# Altium PCB LPC4357_SDRAM_v0.2.PcbDoc (part 1 of 3) (continued)
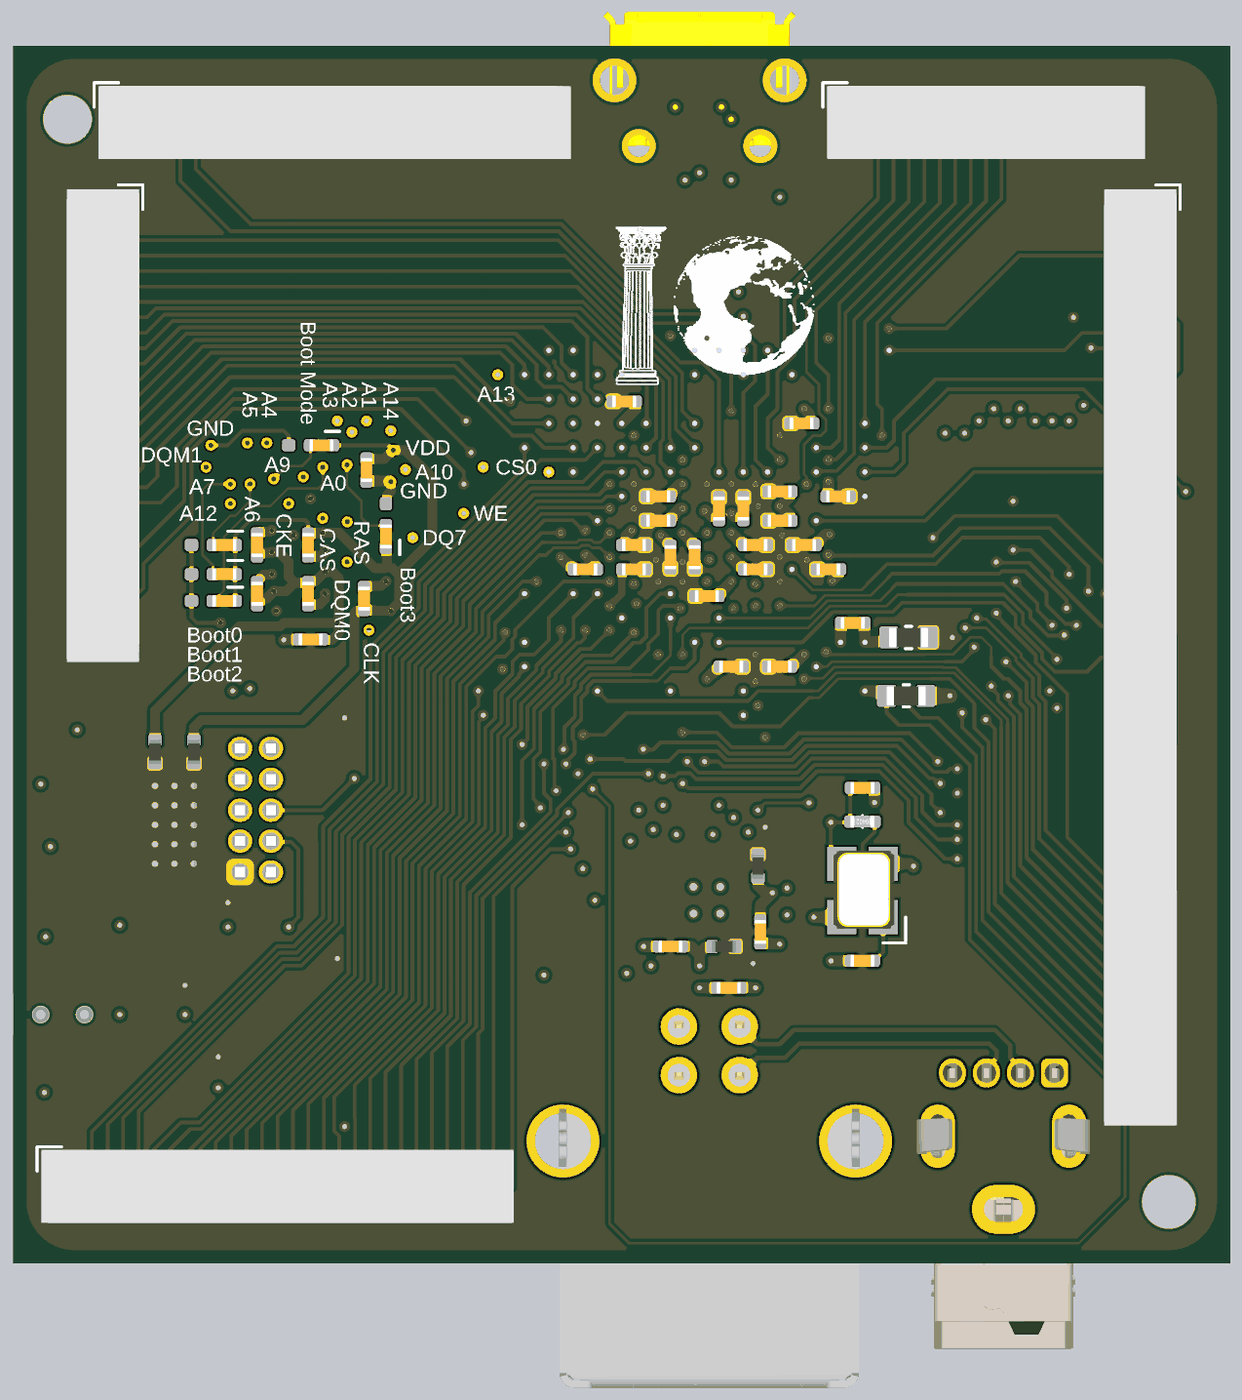
[diagram p7: 3D render of the assembled board from below, using the file's embedded part models]

## Layer stack, top to bottom
Top Solder: solder mask 0.0127, SM-001, Dk 3.8
Top Layer: signal copper 0.035
2313: prepreg 0.1, PP-017, Dk 4.05
Int1 (GND): signal copper 0.0175
Dielectric 3: core 1.265, Core-039, Dk 4.05
Int2 (PWR): signal copper 0.0175
Dielectric 5: prepreg 0.1, PP-017, Dk 4.05
Bottom Layer: signal copper 0.035
Bottom Solder: solder mask 0.0127, SM-001, Dk 3.8

## Board outline
15,15 ccw(c17.5,15) 17.5,12.5 62.5,12.5 ccw(c62.5,15) 65,15 65,60 ccw(c62.5,60) 62.5,62.5 17.5,62.5 ccw(c17.5,60) 15,60

## Design rules (kind name [scope] priority, off if disabled: settings)
Clearance Clearance_Poly [InPolygon] p1: gap=0.127 ignorepadtopadclearanceinfootprint=FALSE // Polygon Pour Clearance
Clearance Clearance_BGA [WithinRoom('BGA_Area')] p2: gap=0.11 ignorepadtopadclearanceinfootprint=FALSE // Create Even Spacing
Clearance [All] p3: gap=0.11 ignorepadtopadclearanceinfootprint=FALSE except(0.127: Track-Via Via-Via; 0.254: Poly-Poly)
DiffPairsRouting [All] p1: maxlimit=0.5 minlimit=0.127 mostfreqgap=0.38 toplayer_minwidth=0.089 toplayer_maxwidth=2.54 toplayer_prefwidth=0.175 midlayer1_minwidth=0.089 midlayer1_maxwidth=2.54 midlayer1_prefwidth=0.154 midlayer2_minwidth=0.089 midlayer2_maxwidth=2.54 midlayer2_prefwidth=0.154 bottomlayer_minwidth=0.089 bottomlayer_maxwidth=2.54 bottomlayer_prefwidth=0.175 impedanceprofiledriven=TRUE impedanceprofileid={19EFDE2F-10DD-4C90-9AE3-6366B3BCEC6F} impedanceprofilevalue=90.000000 maxuncoupledlength=12.7
MatchedLengths [InDifferentialPair('USB0')] p1: tolerance=0.635 checknetsindiffpair=FALSE checkdiffpairvsdiffpair=TRUE checkxsignals=TRUE checkothers=TRUE
MatchedLengths Address-MatchLengths_xSignals_U1_U2 [InxSignalClass('xSignals_U1_U2_Address-MatchLengthsClass')] p2: tolerance=20 checknetsindiffpair=FALSE checkdiffpairvsdiffpair=TRUE checkxsignals=TRUE checkothers=TRUE
MatchedLengths Data-MatchLengths_xSignals_U1_U2 [InxSignalClass('xSignals_U1_U2_Data-MatchLengthsClass')] p3: tolerance=20 checknetsindiffpair=FALSE checkdiffpairvsdiffpair=TRUE checkxsignals=TRUE checkothers=TRUE
MinimumSolderMaskSliver [All] p1: minsoldermaskwidth=0.102
PolygonConnect PolygonConnect-Direct [IsPoly vs IsVia or ((Net = '3V3') or (Net = 'GND'))] p1: connectstyle=Direct reliefconductorwidth=0.254 reliefentries=4 polygonreliefangle="90 Angle" airgapwidth=0.254
PolygonConnect [All] p2: connectstyle=Relief reliefconductorwidth=0.254 reliefentries=4 polygonreliefangle="90 Angle" airgapwidth=0.254
RoomDefinition BGA_Area [False] p1: confinementstyle=ConfineIn formatcopy=TRUE lockcomponents=FALSE outline 28.1,51 45,51 45,34 28.1,34
RoutingVias [All] p1: holewidth=0.2 width=0.45 viastyle="Through Hole" minholewidth=0.2 minwidth=0.45 maxholewidth=0.711 maxwidth=1.27
SilkToSilkClearance [All] p1: silktosilkclearance=0.127
SilkToSolderMaskClearance [IsPad] p1: minsilkscreentomaskgap=0.127 clearancetoexposedcopper=TRUE
SolderMaskExpansion [All] p1: expansion=0.076
Width Width_BGA [WithinRoom('BGA_Area')] p1: maxlimit=0.45 minlimit=0.089 preferedwidth=0.11
Width [All] p2: maxlimit=1 minlimit=0.089 preferedwidth=0.152
26 further rules are at their usual default settings.

## Classes and differential pairs
net class BOOT_Pins: EMC_A0 EMC_A6 EMC_A7 EMC_A8 EMC_A9
net class SDRAM-Commands: EMC_CAS EMC_CKE EMC_CLK EMC_CS0 EMC_DQM0 EMC_DQM1 EMC_RAS EMC_WE
net class SDRAM-Data: EMC_DQ0 EMC_DQ1 EMC_DQ2 EMC_DQ3 EMC_DQ4 EMC_DQ5 EMC_DQ6 EMC_DQ7 EMC_DQ8 EMC_DQ9 EMC_DQ10 EMC_DQ11 EMC_DQ12 EMC_DQ13 EMC_DQ14 EMC_DQ15
net class SDRAM-Address: EMC_A0 EMC_A1 EMC_A2 EMC_A3 EMC_A4 EMC_A5 EMC_A6 EMC_A7 EMC_A8 EMC_A9 EMC_A10 EMC_A11 EMC_A12 EMC_A13 EMC_A14
differential pair USB0: +USB0_D_P -USB0_D_N
differential pair D: +D_P -D_N

## Components (designator, comment, footprint, x,y, rotation, side; value= is the part's Value field where it differs from the comment)
C1 "100n" C_0402_N 41.5,41 r0 bottom
C2 "100n" C_0402_N 32.6,47 r180 bottom
C3 "100n" C_0402_N 31.5,41 r180 bottom
C4 "100n" C_0402_N 39.9,47.9 r180 bottom
C5 "100n" C_0402_N 34.5,42 r0 bottom
C6 "100n" C_0402_N 34.5,41 r0 bottom
C7 "100n" C_0402_N 33.511,37 r180 bottom
C8 "100n" C_0402_N 35,43.5 r270 bottom
C9 "100n" C_0402_N 36,43.5 r270 bottom
C10 "100n" C_0402_N 35.5,37 r0 bottom
C11 "100n" C_0402_N 38.5,44 r180 bottom
C12 "100n" C_0402_N 38.5,43 r180 bottom
C13 "100n" C_0402_N 37,41.5 r90 bottom
C14 "100n" C_0402_N 38,41.5 r90 bottom
C15 "100n" C_0402_N 36.5,39.9 r180 bottom
C16 "100n" C_0402_N 33.5,43 r180 bottom
C17 "100n" C_0402_N 32.5,42 r180 bottom
C18 "100n" C_0402_N 39.5,42 r0 bottom
C19 "100n" C_0402_N 39.5,41 r0 bottom
C20 "100n" C_0402_N 33.5,44.2 r180 bottom
C21 "100n" C_0402_N 31.1,44 r0 bottom
C22 "100n" C_0402_N 30.5,38.8 r0 bottom
C23 "100n" C_0402_N 38,25.5 r0 bottom
C24 "1u" C_0402_N 39.643,28.7 r90 top
C25 "1u" C_0402_N 35.6,23.8 r180 bottom
C26 "100n" C_0402_N 34.3,26.1 r270 bottom
C27 "100n" C_0402_N 52.9,42 r270 bottom
C28 "100n" C_0402_N 52.9,40 r270 bottom
C29 "100n" C_0402_N 55,42 r90 bottom
C30 "100n" C_0402_N 55,40 r90 bottom
C31 "100n" C_0402_N 52.8,38.119 r0 bottom
C32 "100n" C_0402_N 50.6,39.8 r90 bottom
C33 "100n" C_0402_N 50.5,45.084 r270 bottom
C34 "18p" C_0402_N 42.703,28.7 r180 top
C35 "18p" C_0402_N 42.703,25.019 r0 top
C36 "100n" C_0402_N 59.065,22.7 r180 top
C37 "18p" C_0402_N 30.1,32.019 r180 bottom
C38 "18p" C_0402_N 30.1,24.911 r0 bottom
C39 "1u" C_0402_N 61.25,34.4 r0 top
C40 "10u" 0603x55 61.55,29.605 r0 top
D1 "PMEG2015EH" SOD123F 58.644,34.925 r90 top
D2 "0603 Green" D_0603 61.5,27.7 r0 top
FB1 "120R" L_0603 61.4,36.1 r180 top
FB2 "120R" L_0603 28.2,38.2 r0 bottom
FB3 "120R" L_0603 28.3,35.8 r0 bottom
FB4 "300R" FB_0402-NIC 59.2,33.5 r270 bottom
FB5 "300R" FB_0402-NIC 57.6,33.5 r270 bottom
FB6 "300R" FB_0402-NIC 35.8,25.5 r0 bottom
FB7 "300R" FB_0402-NIC 34.4,28.8 r270 bottom
FID1 "FIDUCIAL" LFP113__FIDUCIAL 47.5,26.9 r0 top
FID2 "FIDUCIAL" LFP113__FIDUCIAL 26.9,53.8 r90 top
H1 "2x30" HDR_2x30_1.27mm 18.03,55.8 r270 bottom locked
H2 "2x10" HDR_2x10_1.27mm 30.73,60 r180 bottom locked
H3 "2x15" HDR_2x15_1.27mm 60.7,60 r180 bottom locked
H4 "2x15" HDR_2x15_1.27mm 60.7,55.8 r270 bottom locked
H5 "2x15" HDR_2x15_1.27mm 63.05,16.27 r180 bottom
H6 "JTAG" JTAG_FTSH-105-01-XXX-D-K 55.065,31.1 r90 top
J1 "Type A" USB_A_F_SIDE_REVERSE_TH 24.3,14.7 r0 top locked
J2 "micro USB B" 10118194 36.8,61.1 r180 top
J3 "Type B" USB_B_F_RA_TH 36.4,17.5 r0 top
PCB "LPC USB Analyzer v0.2" LOGO-GIO 35.462,51.689 r180 bottom
R1 "8.06k" R_0402-N 39.8,25.5 r90 top value=8k06
R2 "1M" R_0402-N 44.603,26.9 r90 top value=33
R3 "10k0" R_0402-N 52,33.6 r90 top value=10k
R4 "10k0" R_0402-N 51,33.6 r90 top value=10k
R5 "10k0" R_0402-N 54.9,27.3 r0 top value=10k
R6 "10k0" R_0402-N 49.5,35 r0 top value=10k
R7 "10k0" R_0402-N 54.9,26.3 r180 top value=10k
R8 "10k0" R_0402-N 59.065,23.9 r180 top value=10k
R9 "1M" R_0402-N 30.1,30.63 r0 bottom value=33
R10 "12k0" R_0402-N 37.2,31.3 r180 top value=12k
R11 "8.06k" R_0402-N 61.8,26.373 r0 top value=8k06
R12 "20k0" R_0402-N 41.1,23.9 r180 top value=20k
R13 "10k0" R_0402-N 50.3,25 r0 top value=10k
R14 "10k0" R_0402-N 50.3,18.1 r0 top value=10k
R15 "BOOT_3" 3PAD_0402_JMP_1-2 49.7,42.8 r90 bottom
R16 "BOOT_2" 3PAD_0402_JMP_1-2 56.8,39.7 r0 bottom
R17 "BOOT_1" 3PAD_0402_JMP_1-2 56.8,40.8 r0 bottom
R18 "BOOT_0" 3PAD_0402_JMP_1-2 56.8,42 r0 bottom
R19 "BOOT MODE" 3PAD_0402_JMP_1-2 52.8,46.1 r0 bottom
S1 "PTS840" SW_PTS840 63,22.7 r90 top
TP1 "TP_60mil-pad" TP-R50 49.3,33.5 r0 top
TP2 "TP_60mil-pad" TP-R50 49.3,30.5 r0 top
U1 "LPC4357JET256,551" NXP-SOT740-2 36.5,42.5 r90 top locked
U2 "MT48LC16M16A2B4-6A:G" VFBGA54_8x8 53.3,42.5 r180 top
U3 "USB3343-CP-TR" MCHP-QFN-24_A_V 36.5,27.4 r270 top
U4 "AP7333-33SAG-7" SOT23_N 61.8,32.174 r0 top
U5 "AP2192A" soic_8 52.525,21.595 r180 top
X1 "12MHz" XTAL_3.2mmx2.5mm 30.1,27.8 r90 bottom
X2 "26MHz" XTAL_2.0mmx1.6mm 42.6,26.9 r0 top

## Footprints (in the part's own frame and the unit in brackets; to place one, negate y for a bottom-side part, rotate by r counter-clockwise, add the part's x,y. Pads: shape width x height; smd on the part's side, far side on the other; paste and mask are expansions set on the pad)
3PAD_0402_JMP_1-2 [mm] "3-pin jumper pads for PU/PD"
  rrect50% 0.55x0.5 smd: 1(-0.9,0) 2(0,0) 3(0.9,0)
  silkscreen extent -1.2,-0.57 -0.6,-0.57, body extent -0.95,-0.25 0.05,0.25, height 0.55
0603x55 [mm] "Capacitor 0603"
  rrect26% 0.8x0.9 smd mask+0.051: 1(-0.8,0) 2(0.8,0)
  silkscreen extent -0.13,-0.46 0.13,0.46, body extent -0.8,-0.4 0.8,0.4, height 0.81
10118194 [mm] "FCI Micro USB B"
  rrect26% 0.4x1.35 smd mask+0: 1(-1.3,2.7) 2(-0.65,2.7) 3(0,2.7) 4(0.65,2.7) 5(1.3,2.7)
  round 1.397 hole 0.9 mask+0: MH(2.5,2.7) MH_4(-2.5,2.7)
  rrect26% 1.3x1.6 smd mask+0: MH_1(2.941,0) MH_5(-2.941,0)
  rrect26% 1.5x1.55 smd mask+0: MH_2(1,0) MH_7(-1,0)
  round 1.8 hole 1.2 mask+0: MH_3(3.5,0) MH_6(-3.5,0)
  silkscreen extent -4.03,-2.15 4.03,4.09, body extent -4,-2.82 4,2.7, height 3
C_0402_N [mm] "Chip Capacitor, 2-Leads, Body 1.00x0.50mm, IPC High Density"
  rrect50% 0.55x0.5 smd: 1(-0.45,0) 2(0.45,0)
  body extent -0.5,-0.25 0.5,0.25, height 0.55
D_0603 [mm] "0603, 1.6 x 0.8mm, LED"
  rect 0.8x0.8 smd: 1(-0.825,0) 2(0.825,0)
  silkscreen extent 1.6,-0.38 1.6,0.42, body extent -0.81,-0.4 0.81,0.4, height 0.6
FB_0402-NIC [mm] "Chip Inductor, 2-Leads, Body 1.00x0.50mm, IPC High Density"
  rrect41% 0.5x0.55 smd mask+0.051: 1(-0.475,0) 2(0.475,0)
  body extent -0.5,-0.25 0.5,0.25, height 0.5
HDR_2x10_1.27mm [mm] "LCSC 2x10 TH Female Header, 1.27mm pitch"
  rrect50% 0.9x0.95 hole 0.6: 1(0,0)
  oval 0.9x0.95 hole 0.6: 2(0,-1.27) 3(1.27,0) 4(1.27,-1.27) 5(2.54,0) 6(2.54,-1.27) 7(3.81,0) 8(3.81,-1.27) 9(5.08,0) 10(5.08,-1.27) 11(6.35,0) 12(6.35,-1.27) 13(7.62,0) 14(7.62,-1.27) 15(8.89,0) 16(8.89,-1.27) 17(10.16,0) 18(10.16,-1.27) 19(11.43,0) 20(11.43,-1.27)
  silkscreen extent -1,0 0,1, body extent -0.83,-2.13 12.26,0.87, height 4.3
HDR_2x15_1.27mm [mm] "LCSC 2x15 TH Female Header, 1.27mm pitch"
  rrect50% 0.9x0.95 hole 0.6: 1(0,0)
  oval 0.9x0.95 hole 0.6: 2(0,-1.27) 3(1.27,0) 4(1.27,-1.27) 5(2.54,0) 6(2.54,-1.27) 7(3.81,0) 8(3.81,-1.27) 9(5.08,0) 10(5.08,-1.27) 11(6.35,0) 12(6.35,-1.27) 13(7.62,0) 14(7.62,-1.27) 15(8.89,0) 16(8.89,-1.27) 17(10.16,0) 18(10.16,-1.27) 19(11.43,0) 20(11.43,-1.27) 21(12.7,0) 22(12.7,-1.27) 23(13.97,0) 24(13.97,-1.27) 25(15.24,0) 26(15.24,-1.27) 27(16.51,0) 28(16.51,-1.27) 29(17.78,0) 30(17.78,-1.27)
  silkscreen extent -1,0 0,1, body extent -0.83,-2.13 18.61,0.87, height 4.3
HDR_2x30_1.27mm [mm] "LCSC 2x30 TH Female Header, 1.27mm pitch"
  rrect50% 0.9x0.95 hole 0.6: 1(0,0)
  oval 0.9x0.95 hole 0.6: 2(0,-1.27) 3(1.27,0) 4(1.27,-1.27) 5(2.54,0) 6(2.54,-1.27) 7(3.81,0) 8(3.81,-1.27) 9(5.08,0) 10(5.08,-1.27) 11(6.35,0) 12(6.35,-1.27) 13(7.62,0) 14(7.62,-1.27) 15(8.89,0) 16(8.89,-1.27) 17(10.16,0) 18(10.16,-1.27) 19(11.43,0) 20(11.43,-1.27) 21(12.7,0) 22(12.7,-1.27) 23(13.97,0) 24(13.97,-1.27) 25(15.24,0) 26(15.24,-1.27) 27(16.51,0) 28(16.51,-1.27) 29(17.78,0) 30(17.78,-1.27) 31(19.05,0) 32(19.05,-1.27) 33(20.32,0) 34(20.32,-1.27) 35(21.59,0) 36(21.59,-1.27) 37(22.86,0) 38(22.86,-1.27) 39(24.13,0) 40(24.13,-1.27) 41(25.4,0) 42(25.4,-1.27) 43(26.67,0) 44(26.67,-1.27) 45(27.94,0) 46(27.94,-1.27) 47(29.21,0) 48(29.21,-1.27) 49(30.48,0) 50(30.48,-1.27) 51(31.75,0) 52(31.75,-1.27) 53(33.02,0) 54(33.02,-1.27) 55(34.29,0) 56(34.29,-1.27) 57(35.56,0) 58(35.56,-1.27) 59(36.83,0) 60(36.83,-1.27)
  silkscreen extent -1,0 0,1, body extent -0.83,-2.13 37.66,0.87, height 4.3
JTAG_FTSH-105-01-XXX-D-K [mm] "ARM JTAG, Samtec FTSH-105-01-D-K"
  rrect50% 0.95x1 hole 0.7 mask+0.07: 1(-2.54,-0.635)
  oval 0.95x1 hole 0.7 mask+0.07: 2(-2.54,0.635) 3(-1.27,-0.635) 4(-1.27,0.635) 5(0,-0.635) 6(0,0.635) 7(1.27,-0.635) 8(1.27,0.635) 9(2.54,-0.635) 10(2.54,0.635)
  silkscreen extent -3.3,-1.4 -2.03,-0.13, body extent -3.17,-2.54 3.18,2.54, height 5.71
L_0603 [mm] "Inductior 0603"
  rrect26% 0.8x0.9 smd mask+0.051: 1(-0.8,0) 2(0.8,0)
  silkscreen extent -0.13,-0.46 0.13,0.46, body extent -0.8,-0.4 0.8,0.4, height 0.79
LFP113__FIDUCIAL [mm]
  round 1 smd paste-2 mask+1: 0(0,0)
LOGO-GIO [mm]
  silkscreen extent -4.76,-3.08 3.37,3.39
MCHP-QFN-24_A_V [mm]
  rrect50% 0.85x0.26 smd mask+0.065: 1(-1.81,1.25) 2(-1.81,0.75) 3(-1.81,0.25) 4(-1.81,-0.25) 5(-1.81,-0.75) 6(-1.81,-1.25) 13(1.81,-1.25) 14(1.81,-0.75) 15(1.81,-0.25) 16(1.81,0.25) 17(1.81,0.75) 18(1.81,1.25)
  rrect50% 0.26x0.85 smd mask+0.065: 7(-1.25,-1.81) 8(-0.75,-1.81) 9(-0.25,-1.81) 10(0.25,-1.81) 11(0.75,-1.81) 12(1.25,-1.81) 19(1.25,1.81) 20(0.75,1.81) 21(0.25,1.81) 22(-0.25,1.81) 23(-0.75,1.81) 24(-1.25,1.81)
  rect 2.5x2.5 smd paste-10 mask+0.07: 25(0,0)
  Top Layer region: 1.25,1.25 0.75,1.25 0.75,0.75 1.25,0.75
  silkscreen extent -3,-2.23 2.23,2.22, body extent -2.07,-2.07 2.07,2.07, height 1.4
NXP-SOT740-2 [mm]
  round 0.45 smd mask+0.075: A1(-7.5,7.5) A2(-6.5,7.5) A3(-5.5,7.5) A4(-4.5,7.5) A5(-3.5,7.5) A6(-2.5,7.5) A7(-1.5,7.5) A8(-0.5,7.5) A9(0.5,7.5) A10(1.5,7.5) A11(2.5,7.5) A12(3.5,7.5) A13(4.5,7.5) A14(5.5,7.5) A15(6.5,7.5) A16(7.5,7.5) B1(-7.5,6.5) B2(-6.5,6.5) B3(-5.5,6.5) B4(-4.5,6.5) B5(-3.5,6.5) B6(-2.5,6.5) B7(-1.5,6.5) B8(-0.5,6.5) B9(0.5,6.5) B10(1.5,6.5) B11(2.5,6.5) B12(3.5,6.5) B13(4.5,6.5) B14(5.5,6.5) B15(6.5,6.5) B16(7.5,6.5) C1(-7.5,5.5) C2(-6.5,5.5) C3(-5.5,5.5) C4(-4.5,5.5) C5(-3.5,5.5) C6(-2.5,5.5) C7(-1.5,5.5) C8(-0.5,5.5) C9(0.5,5.5) C10(1.5,5.5) C11(2.5,5.5) C12(3.5,5.5) C13(4.5,5.5) C14(5.5,5.5) C15(6.5,5.5) C16(7.5,5.5) D1(-7.5,4.5) D2(-6.5,4.5) D3(-5.5,4.5) D4(-4.5,4.5) D5(-3.5,4.5) D6(-2.5,4.5) D7(-1.5,4.5) D8(-0.5,4.5) D9(0.5,4.5) D10(1.5,4.5) D11(2.5,4.5) D12(3.5,4.5) D13(4.5,4.5) D14(5.5,4.5) D15(6.5,4.5) D16(7.5,4.5) E1(-7.5,3.5) E2(-6.5,3.5) E3(-5.5,3.5) E4(-4.5,3.5) E5(-3.5,3.5) E6(-2.5,3.5) E7(-1.5,3.5) E8(-0.5,3.5) E9(0.5,3.5) E10(1.5,3.5) E11(2.5,3.5) E12(3.5,3.5) E13(4.5,3.5) E14(5.5,3.5) E15(6.5,3.5) E16(7.5,3.5) F1(-7.5,2.5) F2(-6.5,2.5) F3(-5.5,2.5) F4(-4.5,2.5) F5(-3.5,2.5) F6(-2.5,2.5) F7(-1.5,2.5) F8(-0.5,2.5) F9(0.5,2.5) F10(1.5,2.5) F11(2.5,2.5) F12(3.5,2.5) F13(4.5,2.5) F14(5.5,2.5) F15(6.5,2.5) F16(7.5,2.5) G1(-7.5,1.5) G2(-6.5,1.5) G3(-5.5,1.5) G4(-4.5,1.5) G5(-3.5,1.5) G6(-2.5,1.5) G7(-1.5,1.5) G8(-0.5,1.5) G9(0.5,1.5) G10(1.5,1.5) G11(2.5,1.5) G12(3.5,1.5) G13(4.5,1.5) G14(5.5,1.5) G15(6.5,1.5) G16(7.5,1.5) H1(-7.5,0.5) H2(-6.5,0.5) H3(-5.5,0.5) H4(-4.5,0.5) H5(-3.5,0.5) H6(-2.5,0.5) H7(-1.5,0.5) H8(-0.5,0.5) H9(0.5,0.5) H10(1.5,0.5) H11(2.5,0.5) H12(3.5,0.5) H13(4.5,0.5) H14(5.5,0.5) H15(6.5,0.5) H16(7.5,0.5) J1(-7.5,-0.5) J2(-6.5,-0.5) J3(-5.5,-0.5) J4(-4.5,-0.5) J5(-3.5,-0.5) J6(-2.5,-0.5) J7(-1.5,-0.5) J8(-0.5,-0.5) J9(0.5,-0.5) J10(1.5,-0.5) J11(2.5,-0.5) J12(3.5,-0.5) J13(4.5,-0.5) J14(5.5,-0.5) J15(6.5,-0.5) J16(7.5,-0.5) K1(-7.5,-1.5) K2(-6.5,-1.5) K3(-5.5,-1.5) K4(-4.5,-1.5) K5(-3.5,-1.5) K6(-2.5,-1.5) K7(-1.5,-1.5) K8(-0.5,-1.5) K9(0.5,-1.5) K10(1.5,-1.5) K11(2.5,-1.5) K12(3.5,-1.5) K13(4.5,-1.5) K14(5.5,-1.5) K15(6.5,-1.5) K16(7.5,-1.5) L1(-7.5,-2.5) L2(-6.5,-2.5) L3(-5.5,-2.5) L4(-4.5,-2.5) L5(-3.5,-2.5) L6(-2.5,-2.5) L7(-1.5,-2.5) L8(-0.5,-2.5) L9(0.5,-2.5) L10(1.5,-2.5) L11(2.5,-2.5) L12(3.5,-2.5) L13(4.5,-2.5) L14(5.5,-2.5) L15(6.5,-2.5) L16(7.5,-2.5) M1(-7.5,-3.5) M2(-6.5,-3.5) M3(-5.5,-3.5) M4(-4.5,-3.5) M5(-3.5,-3.5) M6(-2.5,-3.5) M7(-1.5,-3.5) M8(-0.5,-3.5) M9(0.5,-3.5) M10(1.5,-3.5) M11(2.5,-3.5) M12(3.5,-3.5) M13(4.5,-3.5) M14(5.5,-3.5) M15(6.5,-3.5) M16(7.5,-3.5) N1(-7.5,-4.5) N2(-6.5,-4.5) N3(-5.5,-4.5) N4(-4.5,-4.5) N5(-3.5,-4.5) N6(-2.5,-4.5) N7(-1.5,-4.5) N8(-0.5,-4.5) N9(0.5,-4.5) N10(1.5,-4.5) N11(2.5,-4.5) N12(3.5,-4.5) N13(4.5,-4.5) N14(5.5,-4.5) N15(6.5,-4.5) N16(7.5,-4.5) P1(-7.5,-5.5) P2(-6.5,-5.5) P3(-5.5,-5.5) P4(-4.5,-5.5) P5(-3.5,-5.5) P6(-2.5,-5.5) P7(-1.5,-5.5) P8(-0.5,-5.5) P9(0.5,-5.5) P10(1.5,-5.5) P11(2.5,-5.5) P12(3.5,-5.5) P13(4.5,-5.5) P14(5.5,-5.5) P15(6.5,-5.5) P16(7.5,-5.5) R1(-7.5,-6.5) R2(-6.5,-6.5) R3(-5.5,-6.5) R4(-4.5,-6.5) R5(-3.5,-6.5) R6(-2.5,-6.5) R7(-1.5,-6.5) R8(-0.5,-6.5) R9(0.5,-6.5) R10(1.5,-6.5) R11(2.5,-6.5) R12(3.5,-6.5) R13(4.5,-6.5) R14(5.5,-6.5) R15(6.5,-6.5) R16(7.5,-6.5) T1(-7.5,-7.5) T2(-6.5,-7.5) T3(-5.5,-7.5) T4(-4.5,-7.5) T5(-3.5,-7.5) T6(-2.5,-7.5) T7(-1.5,-7.5) T8(-0.5,-7.5) T9(0.5,-7.5) T10(1.5,-7.5) T11(2.5,-7.5) T12(3.5,-7.5) T13(4.5,-7.5) T14(5.5,-7.5) T15(6.5,-7.5) T16(7.5,-7.5)
  silkscreen extent -9.27,-8.5 8.5,8.5, body extent -8.5,-8.5 8.5,8.5, height 1.5
R_0402-N [mm] "Chip Resistor, 2-Leads, Body 1.00x0.50mm, IPC High Density"
  rrect50% 0.5x0.5 smd: 1(-0.5,0) 2(0.5,0)
  silkscreen extent 0,-0.26 0,0.24, body extent -0.5,-0.26 0.5,0.24, height 0.36
SOD123F [mm] "SOD123F; 2 Leads; Body 2.6 x 1.6 mm, (LxW)"
  rect 1.2x1.2 smd paste+0.1: 1(1.175,0) 2(-1.175,0)
  silkscreen extent -0.96,-1.19 0.94,1.22, body extent -1.3,-0.66 1.3,0.69, height 1.1
soic_8 [mm] "SOIC, 8-Leads, Body 4.90x3.90mm, Pitch 1.27mm, IPC Medium Density"
  rrect50% 1.505x0.802 smd: 1(-2.725,1.905) 2(-2.725,0.635) 3(-2.725,-0.635) 4(-2.725,-1.905) 5(2.725,-1.905) 6(2.725,-0.635) 7(2.725,0.635) 8(2.725,1.905)
  silkscreen extent -4.87,-2.5 1.6,2.5, body extent -3.1,-2.5 3.1,2.5, height 1.7
SOT23_N [mm]
  rect 1.3x0.6 smd: 1(-1.05,0.95) 2(-1.05,-0.95) 3(1.05,0)
  silkscreen extent 0.01,-1.5 0.71,1.5, body extent -1.26,-1.46 1.22,1.46, height 1
SW_PTS840 [mm] "C&K PTS840 SMT Side Tactile Switch"
  rect 1.4x1.05 smd: 1(-1.8,0.725) 2(1.8,0.725) 3(-1.8,-0.725) 4(1.8,-0.725)
  rect 1.1x0.5 smd: 5(0,1.7)
  round 0 hole 0.7: 6(0,0.9) 7(0,-0.9)
  body extent -2.35,-2.1 2.35,1.45, height 1.36
TP-R50 [mm] "50mil test pad"
  round 1.27 smd: 1(0,0)
  silkscreen extent -0.91,-0.91 0.91,0.91, body extent -0.76,-0.76 0.76,0.76, height 0.25
USB_A_F_SIDE_REVERSE_TH [mm] "USB Type A Verticle Right Angle, LCSC C39452"
  rrect50% 1.1x1.2 hole 0.8 mask+0.095: 1(-2.1,5.6)
  oval 1.1x1.2 hole 0.8 mask+0.095: 2(-0.7,5.6) 3(0.7,5.6) 4(2.1,5.6)
  oval 2.6x2 hole 1 slot 1.6 at 0 deg: MH(0,0)
  oval 1.4x2.6 hole 0.6 slot 1.8 at 90 deg: MH_1(-2.7,3) MH_2(2.7,3)
  silkscreen extent -3,5 3,6.5, body extent -3.56,-5.74 3.56,6.36, height 13.85
USB_B_F_RA_TH [mm] "Based on Amphenol 61729-1011BLF"
  round 1.5 hole 0.92: 1(1.25,4.71) 2(-1.25,4.71) 3(-1.25,2.71) 4(1.25,2.71)
  round 3 hole 2.3: SH(-6.02,0) SH_1(6.02,0)
  body extent -6.56,-10.14 6.56,5.8, height 11
VFBGA54_8x8 [mm] "BGA, 54-Leads, Body 8.00x8.00mmx1.15mm, Pitch 0.80mm"
  round 0.4 smd mask+0.075: A1(-3.2,3.2) A2(-2.4,3.2) A3(-1.6,3.2) A7(1.6,3.2) A8(2.4,3.2) A9(3.2,3.2) B1(-3.2,2.4) B2(-2.4,2.4) B3(-1.6,2.4) B7(1.6,2.4) B8(2.4,2.4) B9(3.2,2.4) C1(-3.2,1.6) C2(-2.4,1.6) C3(-1.6,1.6) C7(1.6,1.6) C8(2.4,1.6) C9(3.2,1.6) D1(-3.2,0.8) D2(-2.4,0.8) D3(-1.6,0.8) D7(1.6,0.8) D8(2.4,0.8) D9(3.2,0.8) E1(-3.2,0) E2(-2.4,0) E3(-1.6,0) E7(1.6,0) E8(2.4,0) E9(3.2,0) F1(-3.2,-0.8) F2(-2.4,-0.8) F3(-1.6,-0.8) F7(1.6,-0.8) F8(2.4,-0.8) F9(3.2,-0.8) G1(-3.2,-1.6) G2(-2.4,-1.6) G3(-1.6,-1.6) G7(1.6,-1.6) G8(2.4,-1.6) G9(3.2,-1.6) H1(-3.2,-2.4) H2(-2.4,-2.4) H3(-1.6,-2.4) H7(1.6,-2.4) H8(2.4,-2.4) H9(3.2,-2.4) J1(-3.2,-3.2) J2(-2.4,-3.2) J3(-1.6,-3.2) J7(1.6,-3.2) J8(2.4,-3.2) J9(3.2,-3.2)
  silkscreen extent -4.78,-4 4,4, body extent -4,-4 4,4, height 1.1
XTAL_2.0mmx1.6mm [mm] "Crystal 2.0mm x 1.6mm"
  rect 0.75x0.7 smd mask+0.09: 1(-0.675,-0.5) 2(0.675,-0.5) 3(0.675,0.5) 4(-0.675,0.5)
  silkscreen extent -1.4,-1.14 -1,-0.64, body extent -1,-0.8 1,0.8, height 0.65
XTAL_3.2mmx2.5mm [mm] "Crystal 3.2mm x 2.5mm"
  rect 1.4x1.2 smd: 1(-1.1,-0.85) 2(1.1,-0.85) 3(1.1,0.85) 4(-1.1,0.85)
  silkscreen extent -2.16,-1.78 -1.1,-0.85, body extent -1.57,-1.31 1.63,1.19, height 1.05
